# Allegro board buddy_lay_rev1.brd (continued)
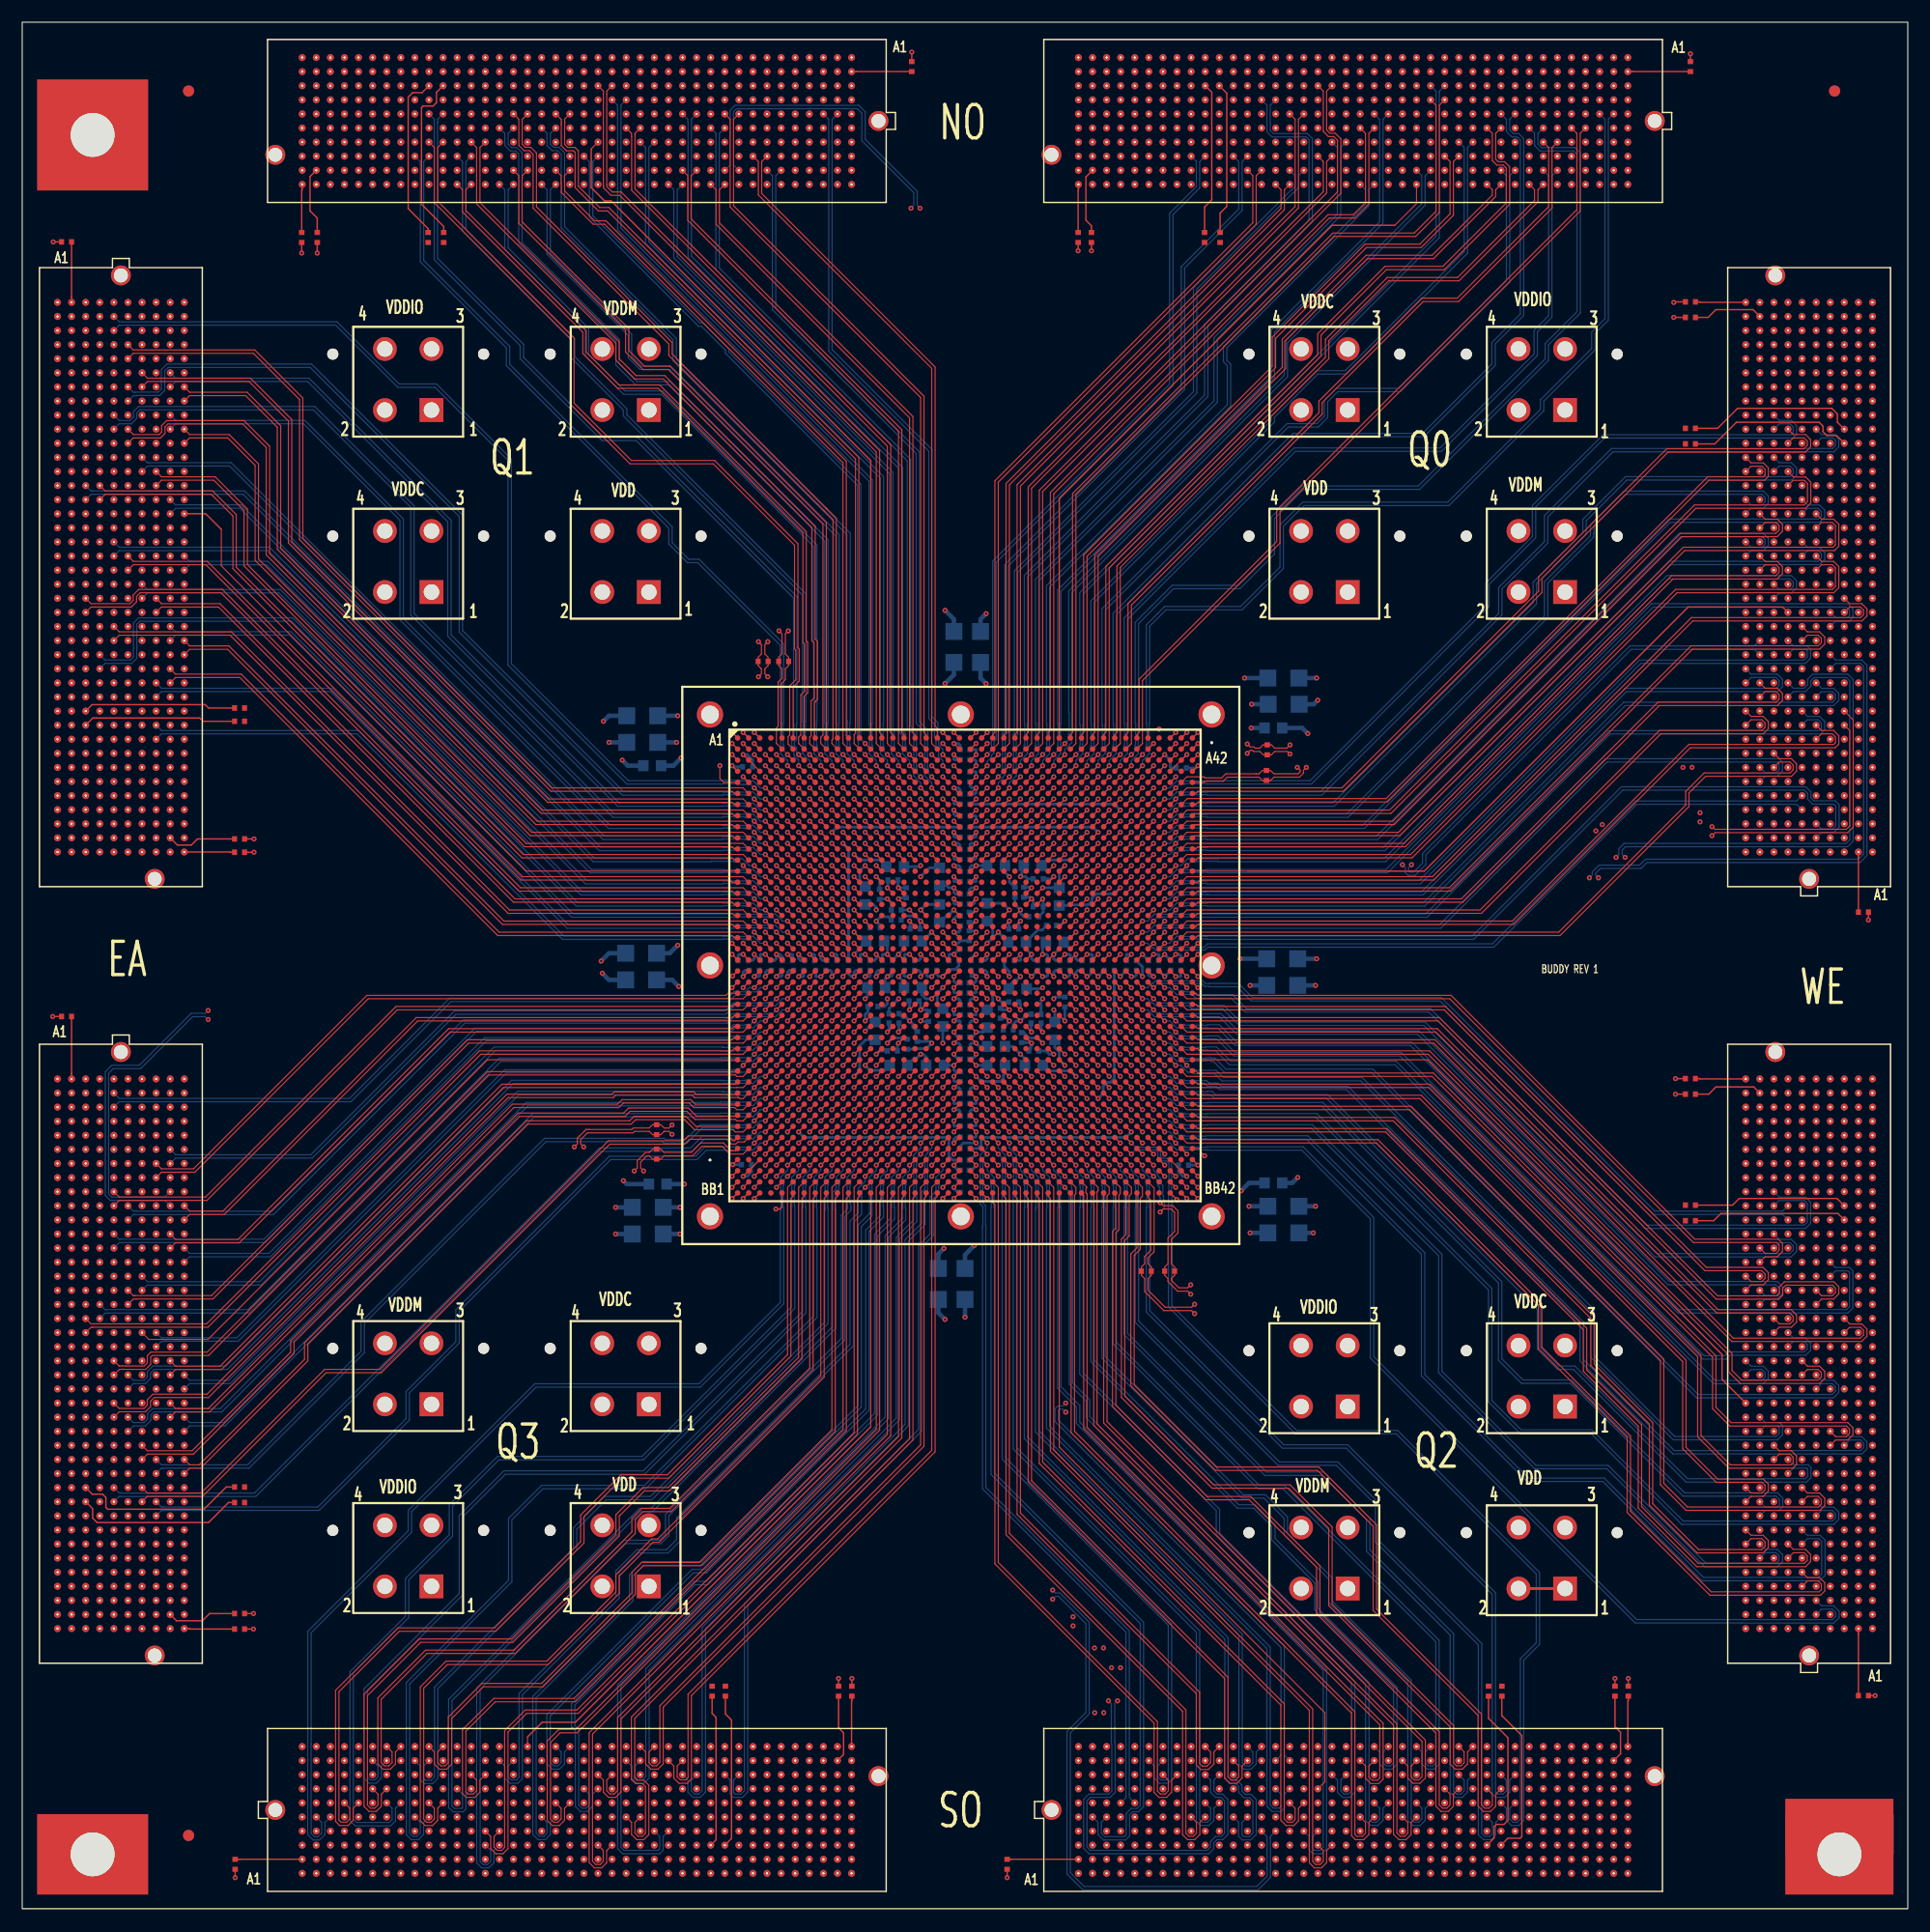
[diagram p0: board, top side]
## Routing (per net, layer and track width the routed paths; a pad name or vN(x,y) marks a point on that pad's centre or on a via; arc(x,y) is an arc through that point) (continued)
  SIGNAL_L9 w0.254: 5.72,139.2 5.72,139.68 ; 5.72,139.68 5.25,139.68 ; 5.72,139.68 6.2,139.68 ; 5.72,139.68 5.72,140.15 ; J8.H6 12.07,138.88 ; J8.H6 12.07,137.93 ; J8.H6 12.55,138.41 ; J8.H6 11.6,138.41 ; 143.01,165.54 J2.B2 ; J2.B2 143.96,165.54 ; J2.B2 143.49,166.02 ; J2.B2 143.49,165.07 ; 53.18,12.87 J6.J23 ; J6.J23 53.66,13.35 ; J6.J23 53.18,13.82 ; J6.J23 52.71,13.35 ; 70.96,161.26 70.96,161.74 ; 70.96,161.74 71.44,161.74 ; 70.96,161.74 70.96,162.21 ; 70.96,161.74 70.49,161.74 ; 71.76,160.47 J1.F3 ; J1.F3 72.71,160.47 ; J1.F3 72.23,160.94 ; J1.F3 72.23,159.99 ; J3.B31 166.02,133.33 ; J3.B31 165.54,132.85 ; J3.B31 165.07,133.33 ; J3.B31 165.54,133.8 ; J4.G17 159.19,46.04 ; J4.G17 159.67,45.56 ; J4.G17 159.19,45.09 ; J4.G17 158.72,45.56 ; J2.J17 124.91,156.66 ; J2.J17 124.44,156.18 ; J2.J17 123.96,156.66 ; J2.J17 124.44,157.13 ; 102.37,7 J5.D7 ; J5.D7 103.32,7 ; J5.D7 102.85,7.47 ; J5.D7 102.85,6.52 ; J1.A33 34.13,167.29 ; J1.A33 34.13,166.34 ; J1.A33 34.61,166.81 ; J1.A33 33.66,166.81 ; 156.66,134.12 J3.J32 ; J3.J32 156.18,134.6 ; J3.J32 156.66,135.07 ; J3.J32 157.13,134.6 ; 13.35,57.79 J7.J14 ; J7.J14 12.87,58.26 ; J7.J14 13.82,58.26 ; J7.J14 13.35,58.74 ; 107.93,8.27 107.93,8.74 ; 107.93,8.27 107.45,8.27 ; 107.93,8.27 107.93,7.79 ; 107.93,8.27 108.4,8.27 ; J8.B14 4.46,128.72 ; J8.B14 4.93,128.25 ; J8.B14 3.98,128.25 ; J8.B14 4.46,127.77 ; J7.H33 12.55,34.13 ; J7.H33 11.6,34.13 ; J7.H33 12.07,33.66 ; J7.H33 12.07,34.61 ; 9.54,30.32 9.54,30.8 ; 9.54,30.32 9.06,30.32 ; 9.54,30.32 9.54,29.85 ; 9.54,30.32 10.01,30.32 ; J6.D25 56.2,7 ; J6.D25 55.72,7.47 ; J6.D25 55.72,6.52 ; J6.D25 55.25,7 ; 7.79,120.63 J8.E20 ; J8.E20 8.27,120.15 ; J8.E20 8.74,120.63 ; J8.E20 8.27,121.1 ; 132.85,163 J2.D10 ; J2.D10 133.8,163 ; J2.D10 133.33,163.48 ; J2.D10 133.33,162.53 ; 10.8,65.88 10.8,66.36 ; 10.8,65.88 10.8,65.41 ; 10.8,65.88 10.33,65.88 ; 10.8,65.88 11.28,65.88 ; 166.81,144.28 J3.A40 ; J3.A40 166.34,144.76 ; J3.A40 166.81,145.23 ; J3.A40 167.29,144.76 ; 43.02,14.14 J6.K15 ; J6.K15 43.5,14.62 ; J6.K15 42.55,14.62 ; J6.K15 43.02,15.09 ; J7.G40 11.28,25.24 ; J7.G40 10.33,25.24 ; J7.G40 10.8,25.72 ; J7.G40 10.8,24.77 ; 12.87,62.07 J7.J11 ; J7.J11 13.35,62.55 ; J7.J11 13.35,61.6 ; J7.J11 13.82,62.07 ; J4.A36 166.81,70.17 ; J4.A36 167.29,69.69 ; J4.A36 166.81,69.22 ; J4.A36 166.34,69.69 ; 8.27,112.53 J8.E26 ; J8.E26 8.74,113.01 ; J8.E26 7.79,113.01 ; J8.E26 8.27,113.48 ; J8.F30 10.01,107.93 ; J8.F30 9.54,107.45 ; J8.F30 9.06,107.93 ; J8.F30 9.54,108.4 ; 159.19,98.56 J3.G4 ; J3.G4 159.19,99.51 ; J3.G4 158.72,99.04 ; J3.G4 159.67,99.04 ; 14.14,134.6 J8.K9 ; J8.K9 14.62,135.07 ; J8.K9 15.09,134.6 ; J8.K9 14.62,134.12 ; J7.H9 12.55,64.61 ; J7.H9 12.07,65.09 ; J7.H9 12.07,64.14 ; J7.H9 11.6,64.61 ; J2.F30 107.93,160.94 ; J2.F30 107.45,160.47 ; J2.F30 108.4,160.47 ; J2.F30 107.93,159.99 ; 116.82,165.07 J2.B23 ; J2.B23 117.29,165.54 ; J2.B23 116.82,166.02 ; J2.B23 116.34,165.54 ; 9.06,34.13 9.54,34.13 ; 9.54,34.13 9.54,33.66 ; 9.54,34.13 9.54,34.61 ; 9.54,34.13 10.01,34.13 ; 135.87,2.71 J5.A33 ; J5.A33 135.39,3.19 ; J5.A33 135.87,3.66 ; J5.A33 136.34,3.19 ; 3.19,44.29 3.19,44.77 ; 3.19,44.29 3.19,43.82 ; 3.19,44.29 3.66,44.29 ; 3.19,44.29 2.71,44.29 ; J7.F21 10.01,49.37 ; J7.F21 9.06,49.37 ; J7.F21 9.54,48.9 ; J7.F21 9.54,49.85 ; J3.C28 164.75,129.52 ; J3.C28 164.28,129.04 ; J3.C28 163.8,129.52 ; J3.C28 164.28,129.99 ; J2.A13 129.52,167.29 ; J2.A13 129.52,166.34 ; J2.A13 129.04,166.81 ; J2.A13 129.99,166.81 ; 137.86,45.25 J22.1 ; J22.1 139.1,46.49 ; J22.1 139.1,44.01 ; J22.1 140.34,45.25 ; 143.49,14.62 143.96,14.62 ; 143.49,14.62 143.49,14.14 ; 143.49,14.62 143.49,15.09 ; 143.49,14.62 143.01,14.62 ; J8.B15 4.46,127.45 ; J8.B15 4.46,126.5 ; J8.B15 4.93,126.98 ; J8.B15 3.98,126.98 ; 163.8,104.12 J3.C8 ; J3.C8 164.28,104.59 ; J3.C8 164.75,104.12 ; J3.C8 164.28,103.64 ; 160.47,112.53 J3.F15 ; J3.F15 160.94,113.01 ; J3.F15 159.99,113.01 ; J3.F15 160.47,113.48 ; J1.C36 30.8,164.28 ; J1.C36 30.32,164.75 ; J1.C36 30.32,163.8 ; J1.C36 29.85,164.28 ; 126.5,13.35 J5.J26 ; J5.J26 126.98,12.87 ; J5.J26 126.98,13.82 ; J5.J26 127.45,13.35 ; J21.1 120.74,45.25 ; J21.1 119.5,46.49 ; J21.1 119.5,44.01 ; J21.1 118.26,45.25 ; 8.27,140.95 8.27,141.42 ; 8.27,140.95 8.74,140.95 ; 8.27,140.95 8.27,140.47 ; 8.27,140.95 7.79,140.95 ; 13.35,135.87 13.82,135.87 ; 13.35,135.87 13.35,135.39 ; 13.35,135.87 13.35,136.34 ; 13.35,135.87 12.87,135.87 ; 159.99,27.78 J4.F3 ; J4.F3 160.47,27.31 ; J4.F3 160.94,27.78 ; J4.F3 160.47,28.26 ; 165.07,113.01 J3.B15 ; J3.B15 166.02,113.01 ; J3.B15 165.54,113.48 ; J3.B15 165.54,112.53 ; 109.2,161.74 109.2,162.21 ; 109.2,161.74 109.67,161.74 ; 109.2,161.74 109.2,161.26 ; 109.2,161.74 108.72,161.74 ; 2.71,54.45 3.19,54.45 ; 3.19,54.45 3.19,53.98 ; 3.19,54.45 3.66,54.45 ; 3.19,54.45 3.19,54.93 ; 118.88,157.93 J2.H21 ; J2.H21 119.36,157.45 ; J2.H21 119.83,157.93 ; J2.H21 119.36,158.4 ; 66.68,165.54 J1.B7 ; J1.B7 67.15,165.07 ; J1.B7 67.15,166.02 ; J1.B7 67.63,165.54 ; J8.B7 4.93,137.14 ; J8.B7 4.46,136.66 ; J8.B7 4.46,137.61 ; J8.B7 3.98,137.14 ; 74.3,5.72 J6.C40 ; J6.C40 75.25,5.72 ; J6.C40 74.77,6.2 ; J6.C40 74.77,5.25 ; J2.C4 141.42,164.28 ; J2.C4 140.95,164.75 ; J2.C4 140.47,164.28 ; J2.C4 140.95,163.8 ; 69.22,14.62 69.69,14.62 ; 69.69,14.62 69.69,15.09 ; 69.69,14.62 70.17,14.62 ; 69.69,14.62 69.69,14.14 ; 163.8,115.55 J3.C17 ; J3.C17 164.28,116.02 ; J3.C17 164.75,115.55 ; J3.C17 164.28,115.07 ; 161.74,100.31 161.74,100.78 ; 161.74,100.31 162.21,100.31 ; 161.74,100.31 161.26,100.31 ; 161.74,100.31 161.74,99.83 ; 11.6,104.12 J8.H33 ; J8.H33 12.07,104.59 ; J8.H33 12.07,103.64 ; J8.H33 12.55,104.12 ; J2.G40 95.23,159.67 ; J2.G40 95.7,159.19 ; J2.G40 95.23,158.72 ; J2.G40 94.75,159.19 ; 4.46,67.95 J7.B6 ; J7.B6 4.93,68.42 ; J7.B6 4.46,68.9 ; J7.B6 3.98,68.42 ; J3.G1 159.67,95.23 ; J3.G1 158.72,95.23 ; J3.G1 159.19,95.7 ; J3.G1 159.19,94.75 ; J2.B27 111.74,166.02 ; J2.B27 111.74,165.07 ; J2.B27 112.21,165.54 ; J2.B27 111.26,165.54 ; 25.24,156.18 J1.J40 ; J1.J40 25.24,157.13 ; J1.J40 24.77,156.66 ; J1.J40 25.72,156.66 ; J1.K21 49.85,155.38 ; J1.K21 49.37,155.86 ; J1.K21 48.9,155.38 ; J1.K21 49.37,154.91 ; J8.B19 4.93,121.9 ; J8.B19 4.46,122.37 ; J8.B19 3.98,121.9 ; J8.B19 4.46,121.42 ; J2.K18 123.64,155.38 ; J2.K18 123.17,154.91 ; J2.K18 123.17,155.86 ; J2.K18 122.69,155.38 ; J4.C24 164.28,54.93 ; J4.C24 164.28,53.98 ; J4.C24 163.8,54.45 ; J4.C24 164.75,54.45 ; 12.07,115.07 J8.H24 ; J8.H24 12.55,115.55 ; J8.H24 11.6,115.55 ; J8.H24 12.07,116.02 ; 121.9,162.53 J2.D19 ; J2.D19 121.42,163 ; J2.D19 121.9,163.48 ; J2.D19 122.37,163 ; 111.74,159.99 J2.F27 ; J2.F27 111.26,160.47 ; J2.F27 111.74,160.94 ; J2.F27 112.21,160.47 ; J6.H12 39.21,12.55 ; J6.H12 39.69,12.07 ; J6.H12 39.21,11.6 ; J6.H12 38.74,12.07 ; 160.47,73.03 J4.F39 ; J4.F39 159.99,73.5 ; J4.F39 160.47,73.98 ; J4.F39 160.94,73.5 ; J8.B2 4.46,143.96 ; J8.B2 4.46,143.01 ; J8.B2 4.93,143.49 ; J8.B2 3.98,143.49 ; 4.46,101.58 4.93,101.58 ; 4.46,101.58 4.46,101.1 ; 4.46,101.58 3.98,101.58 ; 4.46,101.58 4.46,102.05 ; 5.72,130.79 5.72,131.26 ; 5.72,130.79 5.72,130.31 ; 5.72,130.79 6.2,130.79 ; 5.72,130.79 5.25,130.79 ; J20.2 52.3,30.29 ; J20.2 52.3,27.81 ; J20.2 53.54,29.05 ; J20.2 51.06,29.05 ; J12.2 52.3,119.89 ; J12.2 51.06,118.65 ; J12.2 53.54,118.65 ; J12.2 52.3,117.41 ; 105.39,3.19 105.39,3.66 ; 105.39,3.19 104.91,3.19 ; 105.39,3.19 105.39,2.71 ; 105.39,3.19 105.86,3.19 ; J2.D39 96.97,163 ; J2.D39 96.5,162.53 ; J2.D39 96.5,163.48 ; J2.D39 96.02,163 ; J6.A32 64.61,3.66 ; J6.A32 64.14,3.19 ; J6.A32 64.61,2.71 ; J6.A32 65.09,3.19 ; J2.A32 105.86,166.81 ; J2.A32 105.39,167.29 ; J2.A32 104.91,166.81 ; J2.A32 105.39,166.34 ; 110.47,163.8 J2.C28 ; J2.C28 109.99,164.28 ; J2.C28 110.94,164.28 ; J2.C28 110.47,164.75 ; 125.71,3.19 126.18,3.19 ; 125.71,3.19 125.23,3.19 ; 125.71,3.19 125.71,2.71 ; 125.71,3.19 125.71,3.66 ; J1.F18 53.18,160.94 ; J1.F18 53.18,159.99 ; J1.F18 52.71,160.47 ; J1.F18 53.66,160.47 ; J8.J40 13.35,95.7 ; J8.J40 12.87,95.23 ; J8.J40 13.35,94.75 ; J8.J40 13.82,95.23 ; 165.07,36.67 J4.B10 ; J4.B10 165.54,37.15 ; J4.B10 166.02,36.67 ; J4.B10 165.54,36.2 ; J7.E17 8.74,54.45 ; J7.E17 8.27,53.98 ; J7.E17 7.79,54.45 ; J7.E17 8.27,54.93 ; 12.87,101.58 J8.J35 ; J8.J35 13.35,101.1 ; J8.J35 13.35,102.05 ; J8.J35 13.82,101.58 ; 162.53,32.86 J4.D7 ; J4.D7 163,32.39 ; J4.D7 163.48,32.86 ; J4.D7 163,33.34 ; J4.H39 158.4,73.5 ; J4.H39 157.45,73.5 ; J4.H39 157.93,73.03 ; J4.H39 157.93,73.98 ; J2.B18 123.17,166.02 ; J2.B18 123.17,165.07 ; J2.B18 122.69,165.54 ; J2.B18 123.64,165.54 ; 7.79,135.87 8.27,135.87 ; 8.27,135.87 8.27,135.39 ; 8.27,135.87 8.27,136.34 ; 8.27,135.87 8.74,135.87 ; J7.B30 4.46,38.42 ; J7.B30 4.46,37.47 ; J7.B30 3.98,37.94 ; J7.B30 4.93,37.94 ; J1.K27 42.23,155.38 ; J1.K27 41.75,154.91 ; J1.K27 41.28,155.38 ; J1.K27 41.75,155.86 ; J5.H21 121.1,12.07 ; J5.H21 120.63,11.6 ; J5.H21 120.15,12.07 ; J5.H21 120.63,12.55 ; 161.74,48.9 161.74,49.37 ; 161.74,49.37 161.26,49.37 ; 161.74,49.37 162.21,49.37 ; 161.74,49.37 161.74,49.85 ; J5.G29 131.26,10.8 ; J5.G29 130.79,10.33 ; J5.G29 130.79,11.28 ; J5.G29 130.31,10.8 ; 156.18,64.61 J4.J32 ; J4.J32 156.66,65.09 ; J4.J32 157.13,64.61 ; J4.J32 156.66,64.14 ; 7,26.51 7,26.99 ; 7,26.51 7.47,26.51 ; 7,26.51 7,26.04 ; 7,26.51 6.52,26.51 ; 137.14,4.46 137.14,4.93 ; 137.14,4.46 136.66,4.46 ; 137.14,4.46 137.14,3.98 ; 137.14,4.46 137.61,4.46 ; J7.E40 8.74,25.24 ; J7.E40 8.27,24.77 ; J7.E40 8.27,25.72 ; J7.E40 7.79,25.24 ; 165.07,67.15 J4.B34 ; J4.B34 166.02,67.15 ; J4.B34 165.54,67.63 ; J4.B34 165.54,66.68 ; 139.2,159.19 J2.G5 ; J2.G5 140.15,159.19 ; J2.G5 139.68,158.72 ; J2.G5 139.68,159.67 ; J8.E14 8.74,128.25 ; J8.E14 8.27,127.77 ; J8.E14 7.79,128.25 ; J8.E14 8.27,128.72 ; 34.93,156.66 J1.J32 ; J1.J32 35.4,156.18 ; J1.J32 35.4,157.13 ; J1.J32 35.88,156.66 ; 165.07,41.75 J4.B14 ; J4.B14 165.54,41.28 ; J4.B14 165.54,42.23 ; J4.B14 166.02,41.75 ; J3.C20 164.28,119.83 ; J3.C20 164.28,118.88 ; J3.C20 164.75,119.36 ; J3.C20 163.8,119.36 ; J6.F12 39.69,9.54 ; J6.F12 38.74,9.54 ; J6.F12 39.21,10.01 ; J6.F12 39.21,9.06 ; J4.B39 165.54,73.98 ; J4.B39 166.02,73.5 ; J4.B39 165.54,73.03 ; J4.B39 165.07,73.5 ; J4.F30 160.94,62.07 ; J4.F30 159.99,62.07 ; J4.F30 160.47,61.6 ; J4.F30 160.47,62.55 ; 115.55,166.34 J2.A24 ; J2.A24 115.55,167.29 ; J2.A24 116.02,166.81 ; J2.A24 115.07,166.81 ; 138.41,159.99 J2.F6 ; J2.F6 138.88,160.47 ; J2.F6 137.93,160.47 ; J2.F6 138.41,160.94 ; 161.74,138.41 162.21,138.41 ; 161.74,138.41 161.26,138.41 ; 161.74,138.41 161.74,138.88 ; 161.74,138.41 161.74,137.93 ; 12.87,140.95 13.35,140.95 ; 13.35,140.95 13.82,140.95 ; 13.35,140.95 13.35,141.42 ; 13.35,140.95 13.35,140.47 ; J3.H15 157.93,113.48 ; J3.H15 157.45,113.01 ; J3.H15 157.93,112.53 ; J3.H15 158.4,113.01 ; J3.B23 165.54,123.64 ; J3.B23 165.54,122.69 ; J3.B23 165.07,123.17 ; J3.B23 166.02,123.17 ; 139.68,9.06 139.68,9.54 ; 139.68,9.54 139.68,10.01 ; 139.68,9.54 140.15,9.54 ; 139.68,9.54 139.2,9.54 ; J8.H18 12.07,123.64 ; J8.H18 12.55,123.17 ; J8.H18 12.07,122.69 ; J8.H18 11.6,123.17 ; J6.E29 60.8,8.74 ; J6.E29 60.33,8.27 ; J6.E29 60.8,7.79 ; J6.E29 61.28,8.27 ; J6.K9 35.4,15.09 ; J6.K9 35.88,14.62 ; J6.K9 34.93,14.62 ; J6.K9 35.4,14.14 ; 5.72,45.56 6.2,45.56 ; 5.72,45.56 5.25,45.56 ; 5.72,45.56 5.72,45.09 ; 5.72,45.56 5.72,46.04 ; 65.88,166.34 J1.A8 ; J1.A8 65.41,166.81 ; J1.A8 65.88,167.29 ; J1.A8 66.36,166.81 ; J2.H2 143.96,157.93 ; J2.H2 143.49,158.4 ; J2.H2 143.49,157.45 ; J2.H2 143.01,157.93 ; 144.76,161.26 144.76,161.74 ; 144.76,161.74 145.23,161.74 ; 144.76,161.74 144.28,161.74 ; 144.76,161.74 144.76,162.21 ; 58.26,165.07 J1.B14 ; J1.B14 58.26,166.02 ; J1.B14 57.79,165.54 ; J1.B14 58.74,165.54 ; 100.31,8.27 100.31,8.74 ; 100.31,8.27 100.78,8.27 ; 100.31,8.27 99.83,8.27 ; 100.31,8.27 100.31,7.79 ; 14.14,53.18 J7.K18 ; J7.K18 15.09,53.18 ; J7.K18 14.62,53.66 ; J7.K18 14.62,52.71 ; J7.A32 3.66,35.4 ; J7.A32 2.71,35.4 ; J7.A32 3.19,35.88 ; J7.A32 3.19,34.93 ; 45.56,3.19 45.56,3.66 ; 45.56,3.19 45.09,3.19 ; 45.56,3.19 46.04,3.19 ; 45.56,3.19 45.56,2.71 ; 143.01,7 143.49,7 ; 143.49,7 143.96,7 ; 143.49,7 143.49,6.52 ; 143.49,7 143.49,7.47 ; J3.B11 165.54,108.4 ; J3.B11 165.54,107.45 ; J3.B11 165.07,107.93 ; J3.B11 166.02,107.93 ; 40.48,3.19 40.96,3.19 ; 40.48,3.19 40.01,3.19 ; 40.48,3.19 40.48,3.66 ; 40.48,3.19 40.48,2.71 ; 161.74,25.24 162.21,25.24 ; 161.74,25.24 161.74,25.72 ; 161.74,25.24 161.26,25.24 ; 161.74,25.24 161.74,24.77 ; 159.99,135.87 J3.F33 ; J3.F33 160.47,135.39 ; J3.F33 160.47,136.34 ; J3.F33 160.94,135.87 ; 3.19,139.68 3.19,140.15 ; 3.19,139.68 3.19,139.2 ; 3.19,139.68 3.66,139.68 ; 3.19,139.68 2.71,139.68 ; 156.66,115.07 J3.J17 ; J3.J17 156.66,116.02 ; J3.J17 157.13,115.55 ; J3.J17 156.18,115.55 ; 101.58,158.72 J2.G35 ; J2.G35 102.05,159.19 ; J2.G35 101.58,159.67 ; J2.G35 101.1,159.19 ; 121.9,3.98 J5.B22 ; J5.B22 121.42,4.46 ; J5.B22 122.37,4.46 ; J5.B22 121.9,4.93 ; 127.77,165.54 J2.B14 ; J2.B14 128.72,165.54 ; J2.B14 128.25,166.02 ; J2.B14 128.25,165.07 ; 50.64,161.26 50.64,161.74 ; 50.64,161.74 50.17,161.74 ; 50.64,161.74 51.12,161.74 ; 50.64,161.74 50.64,162.21 ; 30.32,12.87 30.32,13.35 ; 30.32,13.35 29.85,13.35 ; 30.32,13.35 30.8,13.35 ; 30.32,13.35 30.32,13.82 ; 14.14,45.56 J7.K24 ; J7.K24 14.62,45.09 ; J7.K24 15.09,45.56 ; J7.K24 14.62,46.04 ; J2.D13 129.99,163 ; J2.D13 129.52,163.48 ; J2.D13 129.52,162.53 ; J2.D13 129.04,163 ; J8.E23 8.27,117.29 ; J8.E23 7.79,116.82 ; J8.E23 8.27,116.34 ; J8.E23 8.74,116.82 ; J3.B18 166.02,116.82 ; J3.B18 165.07,116.82 ; J3.B18 165.54,117.29 ; J3.B18 165.54,116.34 ; 30.32,159.99 J1.F36 ; J1.F36 30.32,160.94 ; J1.F36 29.85,160.47 ; J1.F36 30.8,160.47 ; J6.C36 70.17,5.72 ; J6.C36 69.69,5.25 ; J6.C36 69.69,6.2 ; J6.C36 69.22,5.72 ; 128.25,9.06 128.25,9.54 ; 128.25,9.54 128.25,10.01 ; 128.25,9.54 128.72,9.54 ; 128.25,9.54 127.77,9.54 ; J3.G20 159.19,119.83 ; J3.G20 159.19,118.88 ; J3.G20 158.72,119.36 ; J3.G20 159.67,119.36 ; 166.81,140.47 J3.A37 ; J3.A37 167.29,140.95 ; J3.A37 166.34,140.95 ; J3.A37 166.81,141.42 ; 127.77,12.07 J5.H27 ; J5.H27 128.72,12.07 ; J5.H27 128.25,11.6 ; J5.H27 128.25,12.55 ; J2.A33 104.12,167.29 ; J2.A33 104.12,166.34 ; J2.A33 103.64,166.81 ; J2.A33 104.59,166.81 ; 114.28,3.19 114.75,3.19 ; 114.28,3.19 114.28,2.71 ; 114.28,3.19 113.8,3.19 ; 114.28,3.19 114.28,3.66 ; 156.66,52.71 J4.J23 ; J4.J23 156.66,53.66 ; J4.J23 157.13,53.18 ; J4.J23 156.18,53.18 ; 65.88,161.74 66.36,161.74 ; 65.88,161.74 65.88,161.26 ; 65.88,161.74 65.88,162.21 ; 65.88,161.74 65.41,161.74 ; 5.25,50.64 5.72,50.64 ; 5.72,50.64 5.72,51.12 ; 5.72,50.64 6.2,50.64 ; 5.72,50.64 5.72,50.17 ; J1.C38 28.26,164.28 ; J1.C38 27.31,164.28 ; J1.C38 27.78,164.75 ; J1.C38 27.78,163.8 ; J2.K21 119.83,155.38 ; J2.K21 119.36,154.91 ; J2.K21 119.36,155.86 ; J2.K21 118.88,155.38 ; J1.A37 29.05,167.29 ; J1.A37 29.05,166.34 ; J1.A37 29.53,166.81 ; J1.A37 28.58,166.81 ; J6.B10 37.15,4.46 ; J6.B10 36.2,4.46 ; J6.B10 36.67,4.93 ; J6.B10 36.67,3.98 ; 162.53,140.95 J3.D37 ; J3.D37 163,141.42 ; J3.D37 163,140.47 ; J3.D37 163.48,140.95 ; 119.36,5.25 119.36,5.72 ; 119.36,5.72 119.36,6.2 ; 119.36,5.72 118.88,5.72 ; 119.36,5.72 119.83,5.72 ; 159.99,50.64 J4.F21 ; J4.F21 160.47,51.12 ; J4.F21 160.47,50.17 ; J4.F21 160.94,50.64 ; J3.A13 166.81,110.94 ; J3.A13 166.81,109.99 ; J3.A13 167.29,110.47 ; J3.A13 166.34,110.47 ; J1.B15 57.47,165.54 ; J1.B15 56.99,166.02 ; J1.B15 56.52,165.54 ; J1.B15 56.99,165.07 ; J1.D10 63.82,163 ; J1.D10 63.34,163.48 ; J1.D10 62.87,163 ; J1.D10 63.34,162.53 ; 155.38,61.6 J4.K30 ; J4.K30 155.86,62.07 ; J4.K30 154.91,62.07 ; J4.K30 155.38,62.55 ; J2.H33 104.12,158.4 ; J2.H33 104.59,157.93 ; J2.H33 103.64,157.93 ; J2.H33 104.12,157.45 ; 11.6,49.37 J7.H21 ; J7.H21 12.55,49.37 ; J7.H21 12.07,48.9 ; J7.H21 12.07,49.85 ; J2.D3 142.69,163 ; J2.D3 141.74,163 ; J2.D3 142.22,162.53 ; J2.D3 142.22,163.48 ; 94.75,13.35 95.23,13.35 ; 95.23,13.35 95.23,13.82 ; 95.23,13.35 95.23,12.87 ; 95.23,13.35 95.7,13.35 ; 113.01,161.74 113.48,161.74 ; 113.01,161.74 113.01,161.26 ; 113.01,161.74 113.01,162.21 ; 113.01,161.74 112.53,161.74 ; 3.98,26.51 4.46,26.51 ; 4.46,26.51 4.46,26.99 ; 4.46,26.51 4.93,26.51 ; 4.46,26.51 4.46,26.04 ; J5.E40 145.23,8.27 ; J5.E40 144.76,8.74 ; J5.E40 144.28,8.27 ; J5.E40 144.76,7.79 ; 7,29.05 7.47,29.05 ; 7,29.05 7,29.53 ; 7,29.05 7,28.58 ; 7,29.05 6.52,29.05 ; 73.03,163 J1.D2 ; J1.D2 73.5,162.53 ; J1.D2 73.5,163.48 ; J1.D2 73.98,163 ; 52.71,4.46 J6.B23 ; J6.B23 53.66,4.46 ; J6.B23 53.18,4.93 ; J6.B23 53.18,3.98 ; J4.C32 164.28,65.09 ; J4.C32 164.75,64.61 ; J4.C32 163.8,64.61 ; J4.C32 164.28,64.14 ; 8.27,108.72 J8.E29 ; J8.E29 7.79,109.2 ; J8.E29 8.27,109.67 ; J8.E29 8.74,109.2 ; J4.H15 157.93,43.5 ; J4.H15 157.45,43.02 ; J4.H15 157.93,42.55 ; J4.H15 158.4,43.02 ; 160.47,65.41 J4.F33 ; J4.F33 160.94,65.88 ; J4.F33 159.99,65.88 ; J4.F33 160.47,66.36 ; J4.J26 157.13,56.99 ; J4.J26 156.18,56.99 ; J4.J26 156.66,56.52 ; J4.J26 156.66,57.47 ; 36.2,7 J6.D10 ; J6.D10 36.67,7.47 ; J6.D10 37.15,7 ; J6.D10 36.67,6.52 ; 159.19,144.28 J3.G40 ; J3.G40 159.67,144.76 ; J3.G40 159.19,145.23 ; J3.G40 158.72,144.76 ; 67.95,157.93 J1.H6 ; J1.H6 68.42,157.45 ; J1.H6 68.42,158.4 ; J1.H6 68.9,157.93 ; 140.95,2.71 J5.A37 ; J5.A37 140.47,3.19 ; J5.A37 140.95,3.66 ; J5.A37 141.42,3.19 ; J3.B19 166.02,118.09 ; J3.B19 165.07,118.09 ; J3.B19 165.54,118.56 ; J3.B19 165.54,117.61 ; J7.C32 5.72,35.88 ; J7.C32 5.25,35.4 ; J7.C32 5.72,34.93 ; J7.C32 6.2,35.4 ; J7.E29 8.74,39.21 ; J7.E29 8.27,39.69 ; J7.E29 7.79,39.21 ; J7.E29 8.27,38.74 ; J1.H3 72.23,158.4 ; J1.H3 72.71,157.93 ; J1.H3 72.23,157.45 ; J1.H3 71.76,157.93 ; 164.28,141.74 J3.C38 ; J3.C38 164.28,142.69 ; J3.C38 164.75,142.22 ; J3.C38 163.8,142.22 ; 129.52,6.52 129.52,7 ; 129.52,7 129.04,7 ; 129.52,7 129.52,7.47 ; 129.52,7 129.99,7 ; J8.F24 10.01,115.55 ; J8.F24 9.54,116.02 ; J8.F24 9.06,115.55 ; J8.F24 9.54,115.07 ; 9.06,68.42 J7.F6 ; J7.F6 9.54,67.95 ; J7.F6 10.01,68.42 ; J7.F6 9.54,68.9 ; 58.26,3.98 58.26,4.46 ; 58.26,4.46 58.74,4.46 ; 58.26,4.46 57.79,4.46 ; 58.26,4.46 58.26,4.93 ; 139.1,27.61 J24.1 ; J24.1 140.34,28.85 ; J24.1 139.1,30.09 ; J24.1 137.86,28.85 ; J7.D6 7,68.9 ; J7.D6 7,67.95 ; J7.D6 6.52,68.42 ; J7.D6 7.47,68.42 ; J5.H36 140.15,12.07 ; J5.H36 139.68,12.55 ; J5.H36 139.2,12.07 ; J5.H36 139.68,11.6 ; 163.8,144.76 J3.C40 ; J3.C40 164.75,144.76 ; J3.C40 164.28,145.23 ; J3.C40 164.28,144.28 ; 69.69,161.74 69.69,162.21 ; 69.69,161.74 69.69,161.26 ; 69.69,161.74 70.17,161.74 ; 69.69,161.74 69.22,161.74 ; J6.A33 66.36,3.19 ; J6.A33 65.41,3.19 ; J6.A33 65.88,3.66 ; J6.A33 65.88,2.71 ; 41.28,157.93 J1.H27 ; J1.H27 41.75,157.45 ; J1.H27 42.23,157.93 ; J1.H27 41.75,158.4 ; J5.F3 97.77,10.01 ; J5.F3 97.77,9.06 ; J5.F3 97.29,9.54 ; J5.F3 98.24,9.54 ; 159.19,111.26 J3.G14 ; J3.G14 159.19,112.21 ; J3.G14 158.72,111.74 ; J3.G14 159.67,111.74 ; 154.91,39.21 J4.K12 ; J4.K12 155.38,38.74 ; J4.K12 155.86,39.21 ; J4.K12 155.38,39.69 ; 2.71,74.77 3.19,74.77 ; 3.19,74.77 3.66,74.77 ; 3.19,74.77 3.19,75.25 ; 3.19,74.77 3.19,74.3 ; 44.29,5.72 44.77,5.72 ; 44.29,5.72 44.29,5.25 ; 44.29,5.72 44.29,6.2 ; 44.29,5.72 43.82,5.72 ; 156.66,94.75 J3.J1 ; J3.J1 156.18,95.23 ; J3.J1 157.13,95.23 ; J3.J1 156.66,95.7 ; J2.B15 127.45,165.54 ; J2.B15 126.98,165.07 ; J2.B15 126.98,166.02 ; J2.B15 126.5,165.54 ; 115.55,154.91 J2.K24 ; J2.K24 115.55,155.86 ; J2.K24 116.02,155.38 ; J2.K24 115.07,155.38 ; 99.83,166.81 J2.A36 ; J2.A36 100.31,166.34 ; J2.A36 100.78,166.81 ; J2.A36 100.31,167.29 ; J5.C38 142.69,5.72 ; J5.C38 141.74,5.72 ; J5.C38 142.22,5.25 ; J5.C38 142.22,6.2 ; 3.19,114.28 3.66,114.28 ; 3.19,114.28 3.19,114.75 ; 3.19,114.28 2.71,114.28 ; 3.19,114.28 3.19,113.8 ; 5.72,29.85 J7.C36 ; J7.C36 5.25,30.32 ; J7.C36 5.72,30.8 ; J7.C36 6.2,30.32 ; 157.93,123.96 J3.H24 ; J3.H24 158.4,124.44 ; J3.H24 157.93,124.91 ; J3.H24 157.45,124.44 ; 161.74,60.8 161.74,61.28 ; 161.74,60.8 161.26,60.8 ; 161.74,60.8 162.21,60.8 ; 161.74,60.8 161.74,60.33 ; 126.5,4.46 J5.B26 ; J5.B26 126.98,3.98 ; J5.B26 127.45,4.46 ; J5.B26 126.98,4.93 ; 139.68,161.74 139.68,162.21 ; 139.68,161.74 139.68,161.26 ; 139.68,161.74 139.2,161.74 ; 139.68,161.74 140.15,161.74 ; 67.95,160.47 J1.F6 ; J1.F6 68.9,160.47 ; J1.F6 68.42,160.94 ; J1.F6 68.42,159.99 